# Altium PCB RS2-708_V009.PcbDoc (part 2 of 4) (continued)
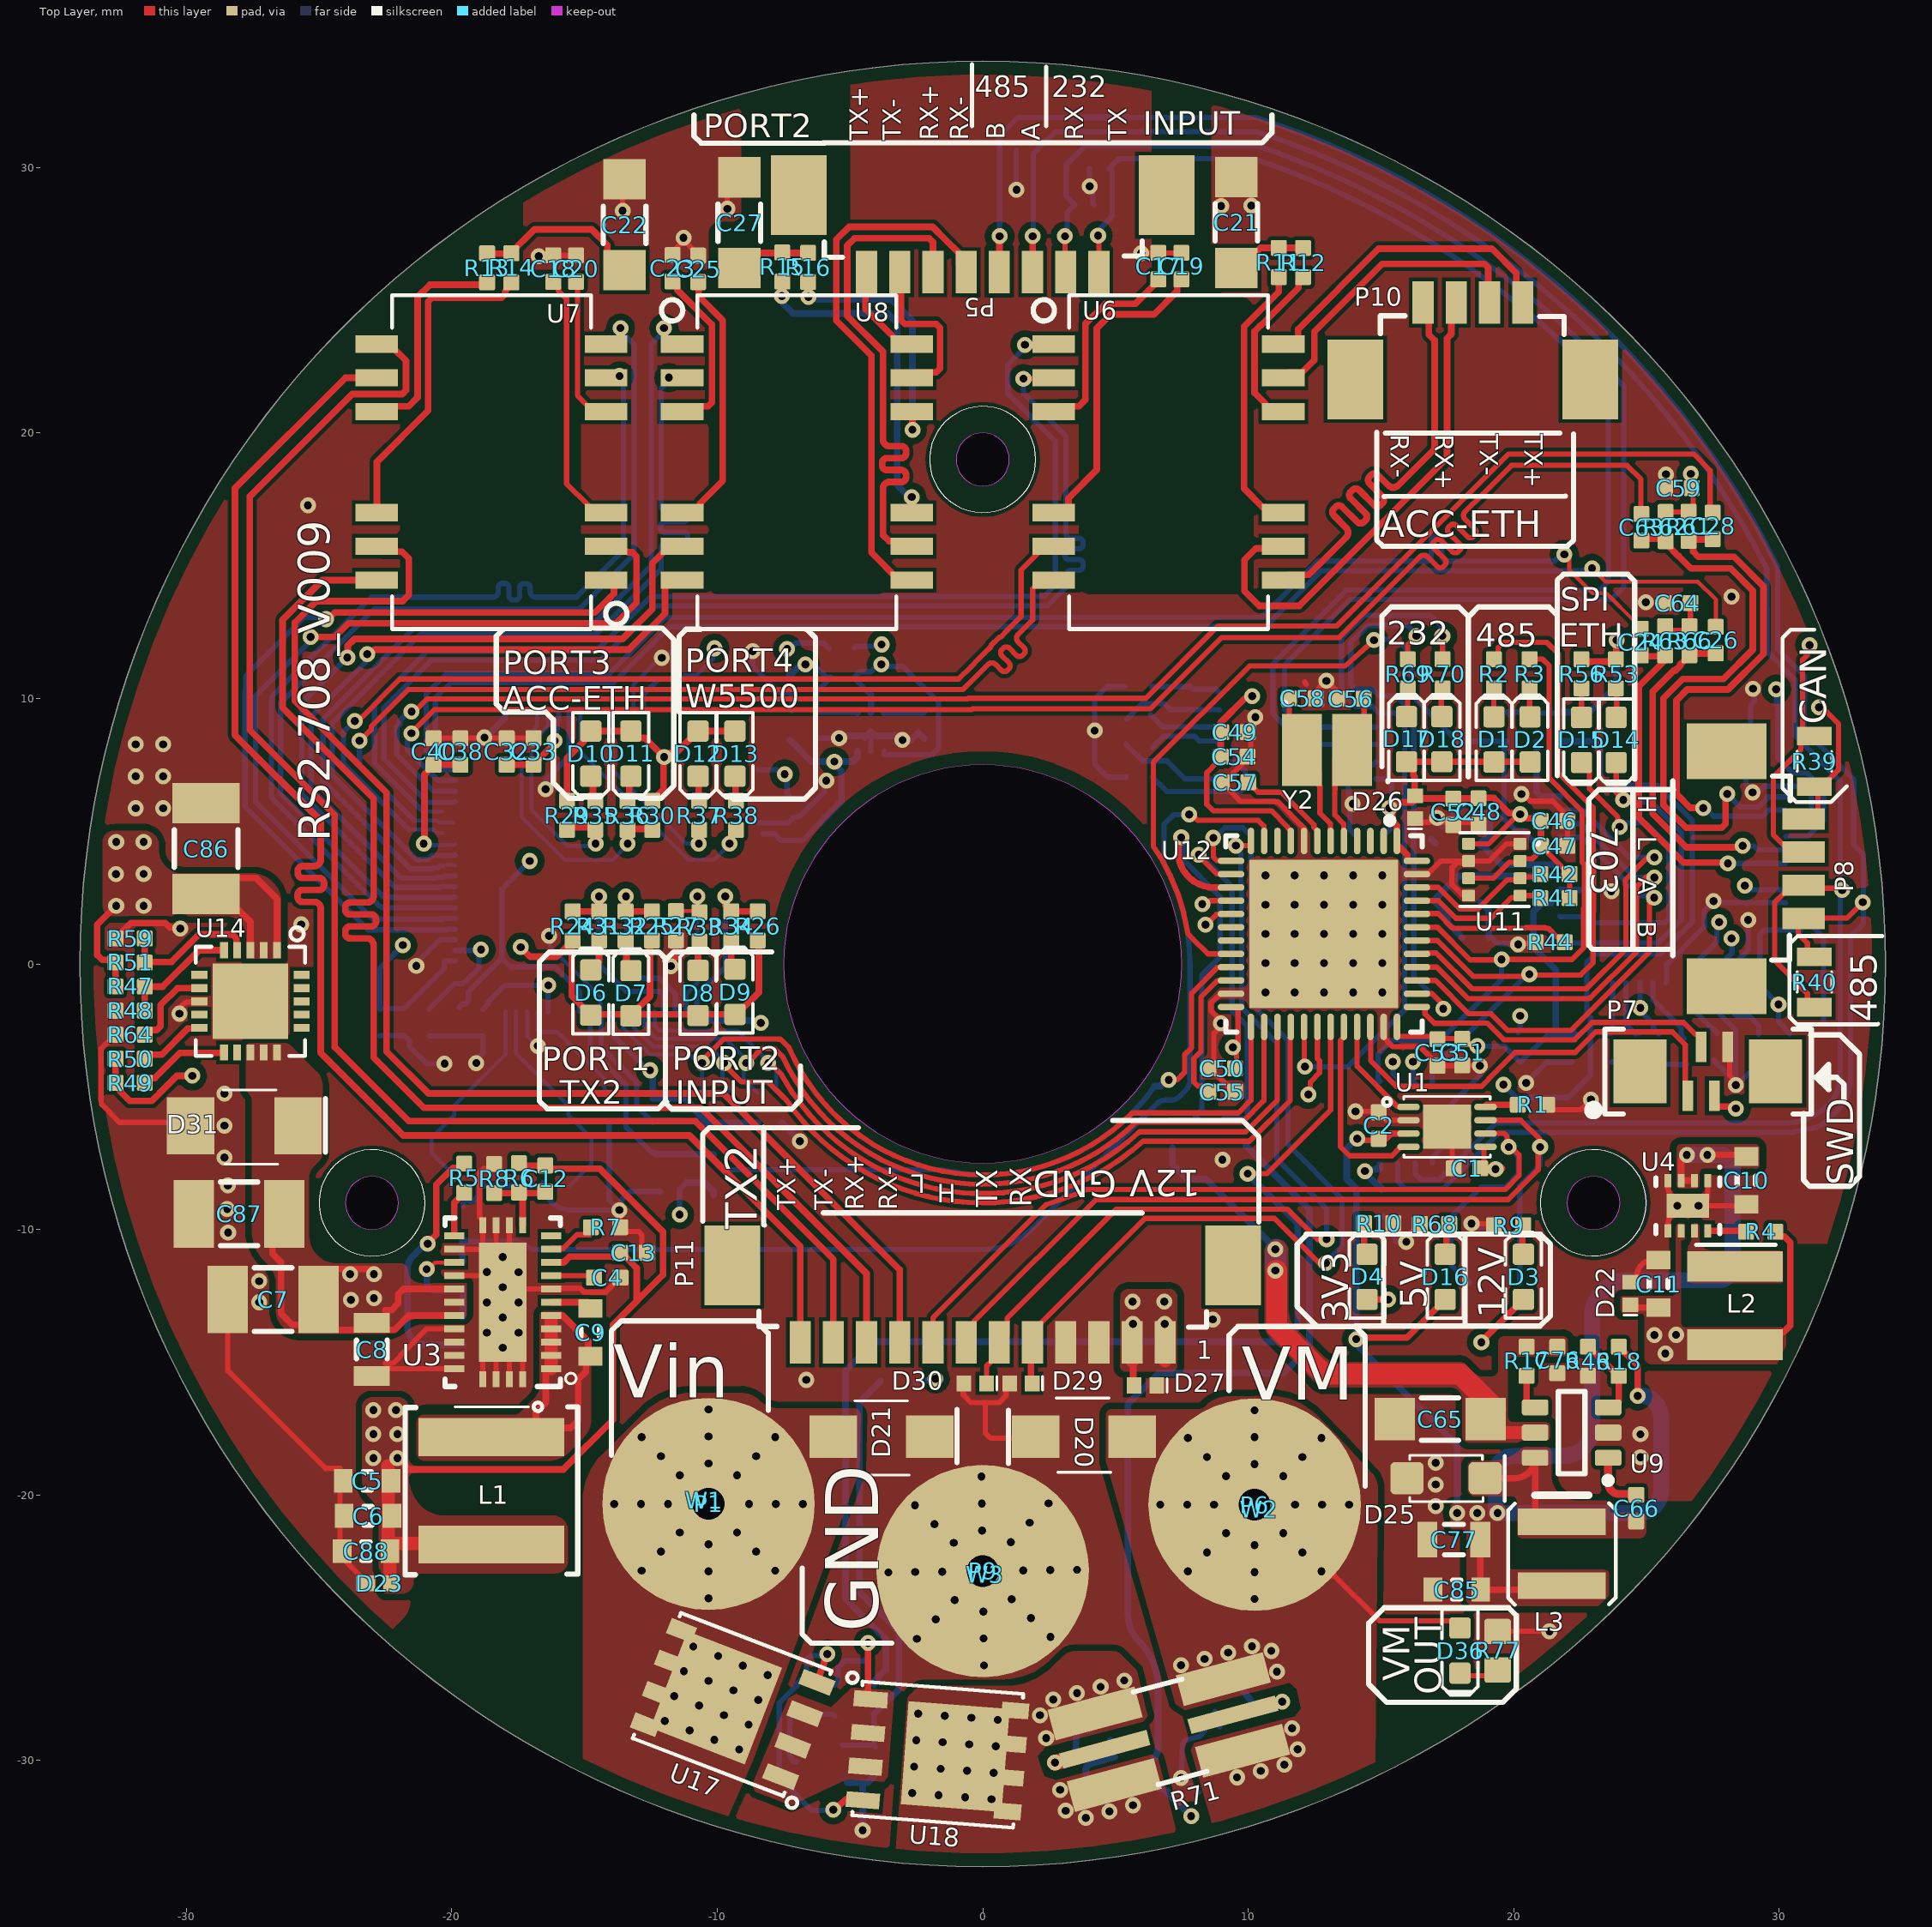
[diagram p0: Top Layer view]
## Part data (continued)
U1: "Can Fd Transceiver With Silent Mode / 8 Tdfn 2X3X0.8Mm T/r", Manufacturer 1=Microchip, Max Operating Temperature=150°C, Min Operating Temperature=-40°C, Supplier Part Number 1=MCP2558FDT-H/MNYCT-ND, Category="Interface ICs", ComponentLink1Description=http://www.microchip.com/mymicrochip/filehandler.aspx?ddocname=en585652&src-supplier=Digi-Key, ComponentLink1URL=http://www.microchip.com/mymicrochip/filehandler.aspx?ddocname=en585652&src-supplier=Digi-Key, Manufacturer Part Number 1=MCP2558FDT-H/MNY, Manufacturer_Part_Number=MCP2558FDT-H/MNY, Mount="Surface Mount", Packaging="Tape and Reel", Pricing 1="1=0,85000, 25=0,70000, 100=0,69000 (USD)", Receiver Hysteresis=200mV, RoHS=Yes, RoHS Compliant=Yes, Stock 1=6428, Supplier 1=Digi-Key, Vendor=Microchip
U2: library part MAX22501EATA+, Manufacturer="Maxim Integrated", Supplier Part Number=MAX22501EATA+-ND, Component Type="1/1 Transceiver Half RS422, RS485 8-TDFN (3x3)", Manufacturer Part Number=MAX22501EATA+, Price=2.91, Supplier=Digi-Key
U3: "Buck Switching Regulator IC Positive Adjustable 1V 1 Output 3.5A 30-WFQFN Exposed Pad", Manufacturer 1="Texas Instruments", Max Input Voltage=60V, Max Operating Temperature=125°C, Max Output Voltage=57V, Min Input Voltage=3.5V, Min Operating Temperature=-40°C, Min Output Voltage=1V, Output Current=3.5A, Supplier Part Number 1=296-49740-1-ND, Switching Frequency=2.2MHz, ComponentLink1Description=http://www.ti.com/lit/ds/symlink/lm76003.pdf?src-supplier=Digi-Key, ComponentLink1URL=http://www.ti.com/lit/ds/symlink/lm76003.pdf?src-supplier=Digi-Key, Manufacturer Part Number 1=LM76003RNPR, Mount="Surface Mount", Number of Outputs=1, Output Configuration=Positive, Output Type=Adjustable, Packaging="Tape and Reel", Pricing 1="1=6,06000, 10=5,44500, 25=5,14800, 100=4,23280, 250=3,79808, 500=3,66080, 1000=3,04304 (USD)", RoHS=No, Stock 1=8327, Supplier 1=Digi-Key, Synchronous Rectifier=Yes
U4: library part TPS6216X, Case/Package=SOIC, Manufacturer 1="Texas Instruments", Manufacturer Part Number 1=TPS62162DSGT, Max Input Voltage=17V, Max Operating Temperature=125°C, Max Output Current=1A, Max Output Voltage=3.3V, Min Input Voltage=3V, Min Operating Temperature=-40°C, Package Quantity=1, Quiescent Current=17uA, Supplier Part Number 1=296-29897-1-ND, Switching Frequency=2.25MHz, ComponentLink1Description=https://datasheet.ciiva.com/2026/tps62160-2026052.pdf?src-supplier=Digi-Key, ComponentLink1URL=https://datasheet.ciiva.com/2026/tps62160-2026052.pdf?src-supplier=Digi-Key, ComponentLink2Description=https://datasheet.ciiva.com/2026/tps62160-2026053.pdf?src-supplier=Digi-Key, ComponentLink2URL=https://datasheet.ciiva.com/2026/tps62160-2026053.pdf?src-supplier=Digi-Key, ComponentLink3Description=https://datasheet.ciiva.com/2026/tps62160-2026054.pdf?src-supplier=Digi-Key, ComponentLink3URL=https://datasheet.ciiva.com/2026/tps62160-2026054.pdf?src-supplier=Digi-Key, ComponentLink4Description=https://datasheet.ciiva.com/46425/1857528-46425721.pdf?src-supplier=Element14, ComponentLink4URL=https://datasheet.ciiva.com/46425/1857528-46425721.pdf?src-supplier=Element14, ComponentLink5Description=https://datasheet.ciiva.com/46425/1857528-46425722.pdf?src-supplier=Element14, ComponentLink5URL=https://datasheet.ciiva.com/46425/1857528-46425722.pdf?src-supplier=Element14, ComponentLink6Description=https://datasheet.ciiva.com/46425/1857528-46425743.pdf?src-supplier=Element14, ComponentLink6URL=https://datasheet.ciiva.com/46425/1857528-46425743.pdf?src-supplier=Element14, Contact Plating=Gold, Height=0.75mm, Lead Free="Lead Free", Length=2.1mm, Min Output Voltage=3.3V, Nominal Output Voltage=3.3V, Number of Outputs=1, Number of Pins=8, Operating Supply Voltage=17V, Output Configuration=Positive, Output Current=1A, Output Type=Fixed, Output Voltage=3.3V, Packaging="Tape and Reel", Pricing 1="1=1,63000, 10=1,46000, 25=1,38600, 100=1,06430 (USD)", Radiation Hardening=No, REACH SVHC="No SVHC", RoHS=Yes, Stock 1=23948, Supplier 1=Digi-Key, Synchronous Rectifier=Yes, Width=2.1mm
U5: "Linear Voltage Regulator", Manufacturer 1=Microchip, Manufacturer Part Number 1=MIC5309-1.2YMT-TR, Supplier Part Number 1=576-3050-1-ND, ComponentLink1Description=https://datasheet.ciiva.com/46425/1833743-46425628.pdf?src-supplier=Element14, ComponentLink1URL=https://datasheet.ciiva.com/46425/1833743-46425628.pdf?src-supplier=Element14, Pricing 1="1=0,81000, 25=0,67000, 100=0,61000 (USD)", RoHS=Yes, Stock 1=5043, Supplier 1=Digi-Key
U6 U7 U8: library part 749020100, "350µH LAN 10/100/1000 Base-T Pulse Transformer 1:1 Surface Mount", Inductance=350uH, Manufacturer 1="Wurth Electronics", Package Quantity=1, Supplier Part Number 1=732-3268-1-ND, ComponentLink1Description=https://datasheet.ciiva.com/1378/1736628-1378085.pdf?src-supplier=Element14, ComponentLink1URL=https://datasheet.ciiva.com/1378/1736628-1378085.pdf?src-supplier=Element14, ComponentLink2Description=https://datasheet.ciiva.com/2938/749020100-2938743.pdf?src-supplier=Digi-Key, ComponentLink2URL=https://datasheet.ciiva.com/2938/749020100-2938743.pdf?src-supplier=Digi-Key, ComponentLink3Description=https://datasheet.ciiva.com/2938/749020100-2938744.pdf?src-supplier=Digi-Key, ComponentLink3URL=https://datasheet.ciiva.com/2938/749020100-2938744.pdf?src-supplier=Digi-Key, ComponentLink4Description=https://datasheet.ciiva.com/2938/749020100-2938745.pdf?src-supplier=Digi-Key, ComponentLink4URL=https://datasheet.ciiva.com/2938/749020100-2938745.pdf?src-supplier=Digi-Key, Height - Seated (Max)=2.16mm, Length=12.83mm, Manufacturer Part Number 1=749020100, Mount="Surface Mount", Pricing 1="1=6,48000, 25=5,60800, 100=4,94900, 250=4,61900, 500=4,12402 (USD)", REACH SVHC=Unknown, RoHS=Yes, Stock 1=1037, Supplier 1=Digi-Key, Width=6.7mm
U9: library part LMR16006, "SIMPLE SWITCHER® 4V to 60V, 600mA Step-Down Regulator with Low Iq 6-SOT-23-THIN -40 to 125", Case/Package=SOT-23-6, Manufacturer 1="Texas Instruments", Manufacturer Part Number 1=LMR16006XDDCR, Max Input Voltage=60V, Max Operating Temperature=125°C, Max Output Current=600mA, Max Output Voltage=55V, Min Input Voltage=4V, Min Operating Temperature=-40°C, Min Output Voltage=765mV, Quiescent Current=28uA, Supplier Part Number 1=296-40293-1-ND, Switching Frequency=700kHz, Category="Power Supply Modules", ComponentLink1Description=http://www.ti.com/general/docs/lit/getliterature.tsp?genericPartNumber=LMR16006&&fileType=pdf&src-supplier=Avnet, ComponentLink1URL=http://www.ti.com/general/docs/lit/getliterature.tsp?genericPartNumber=LMR16006&&fileType=pdf&src-supplier=Avnet, ComponentLink2Description=http://www.ti.com/lit/ds/symlink/lmr16006.pdf?src-supplier=Digi-Key, ComponentLink2URL=http://www.ti.com/lit/ds/symlink/lmr16006.pdf?src-supplier=Digi-Key, ComponentLink3Description=http://www.ti.com/general/docs/lit/getliterature.tsp?genericPartNumber=LMR16006&amp;&amp;fileType=pdf&src-supplier=Farnell, ComponentLink3URL=http://www.ti.com/general/docs/lit/getliterature.tsp?genericPartNumber=LMR16006&amp;&amp;fileType=pdf&src-supplier=Farnell, ComponentLink4Description=http://www.ti.com/general/docs/lit/getliterature.tsp?genericPartNumber=LMR16006&&fileType=pdf&src-supplier=Element14, ComponentLink4URL=http://www.ti.com/general/docs/lit/getliterature.tsp?genericPartNumber=LMR16006&&fileType=pdf&src-supplier=Element14, ComponentLink5Description=http://www.ti.com/general/docs/lit/getliterature.tsp?genericPartNumber=LMR16006&amp;&amp;fileType=pdf&src-supplier=Avnet+Asia, ComponentLink5URL=http://www.ti.com/general/docs/lit/getliterature.tsp?genericPartNumber=LMR16006&amp;&amp;fileType=pdf&src-supplier=Avnet+Asia, Contact Plating=Gold, Lead Free="Lead Free", Mount="Surface Mount", Number of Outputs=1, Number of Pins=6, Operating Supply Voltage=60V, Output Configuration=Positive, Output Current=600mA, Output Type=Adjustable, Output Voltage=55V, Packaging="Tape and Reel", Pricing 1="1=3,26000, 10=2,93100, 25=2,77120, 100=2,40190, 250=2,27868, 500=2,04466, 1000=2,03350 (USD)", REACH SVHC="No SVHC", RoHS=Yes, RoHS Compliant=Yes, Supplier 1=Digi-Key, Synchronous Rectifier=No
U10: "5Port   Ethernet Controller 10/100 Base-T/TX PHY MII, RMII Interface 80-LQFP (10x10)", Manufacturer 1=Microchip, Manufacturer Part Number 1=KSZ8795CLXIC, Supplier Part Number 1=576-4853-ND, ComponentLink1Description=http://www.mouser.com/ds/2/268/KSZ8795CLX-776186.pdf?src-supplier=Mouser, ComponentLink1URL=http://www.mouser.com/ds/2/268/KSZ8795CLX-776186.pdf?src-supplier=Mouser, ComponentLink2Description=http://www.microchip.com/mymicrochip/filehandler.aspx?ddocname=en585610&src-supplier=Digi-Key, ComponentLink2URL=http://www.microchip.com/mymicrochip/filehandler.aspx?ddocname=en585610&src-supplier=Digi-Key, ComponentLink3Description=http://www.farnell.com/datasheets/2337812.pdf?src-supplier=Newark, ComponentLink3URL=http://www.farnell.com/datasheets/2337812.pdf?src-supplier=Newark, Pricing 1="1=5,36000, 25=4,46000, 100=4,31250 (USD)", RoHS=Yes, Stock 1=1232, Supplier 1=Digi-Key
U11: library part BME280, "Bosch Temp, Hum, Abs Pressure Environmental Sensor", Case/Package=LGA, Manufacturer 1=Bosch, Max Operating Temperature=85°C, Min Operating Temperature=-40°C, Supplier Part Number 1=828-1063-1-ND, Accuracy=3%, ComponentLink1Description=https://ae-bst.resource.bosch.com/media/_tech/media/datasheets/BST-BME280-DS002.pdf?src-supplier=Digi-Key, ComponentLink1URL=https://ae-bst.resource.bosch.com/media/_tech/media/datasheets/BST-BME280-DS002.pdf?src-supplier=Digi-Key, ComponentLink2Description=https://ae-bst.resource.bosch.com/media/_tech/media/product_flyer/BME280_Productflyer_BST_20170109.pdf?src-supplier=Arrow, ComponentLink2URL=https://ae-bst.resource.bosch.com/media/_tech/media/product_flyer/BME280_Productflyer_BST_20170109.pdf?src-supplier=Arrow, ComponentLink3Description=https://ae-bst.resource.bosch.com/media/_tech/media/product_flyer/BME280_Productflyer_BST_20170109.pdf?src-supplier=Mouser, ComponentLink3URL=https://ae-bst.resource.bosch.com/media/_tech/media/product_flyer/BME280_Productflyer_BST_20170109.pdf?src-supplier=Mouser, ComponentLink4Description=https://ae-bst.resource.bosch.com/media/_tech/media/product_flyer/BME280_Productflyer_BST_20170109.pdf?src-supplier=NAC+Semi, ComponentLink4URL=https://ae-bst.resource.bosch.com/media/_tech/media/product_flyer/BME280_Productflyer_BST_20170109.pdf?src-supplier=NAC+Semi, Lead Free="Lead Free", Manufacturer Part Number 1=BME280, Mount="Surface Mount", Number of Pins=8, Output Type=SPI,I2C, Packaging="Cut Tape", Pricing 1="1=6,55000, 5=5,77600, 10=5,10100, 25=4,13880, 50=3,65760, 100=3,56130, 500=2,98376, 1000=2,79126, 5000=2,59876 (USD)", Response Time=1s, RoHS=No, Sensor Type=Temperature, Stock 1=18369, Supplier 1=Digi-Key
U12: library part STM32F413CHU, "ARM Cortex-M4 32-bit MCU+FPU, 105 DMIPS, 128 kB Flash, 64 kB Internal RAM, 36 I/Os, 48-pin UFQFPN, -40 to 85 degC, Tray", Case/Package=UFQFPN, Frequency=100MHz, Manufacturer=STMicroelectronics, Max Operating Temperature=85°C, Min Operating Temperature=-40°C, Supplier Part Number 1=497-17018-ND, Component Type="'ARM® Cortex®-M4, 32Bit, 100mhz, 48-UFQFPN (7x7)", Core Architecture=ARM, Interface=I2C,USB,IrDA,MMC,SDIO,UART,USART, Manufacturer Part Number=STM32F413CHU6, Memory Size=1.5MB, Memory Type=FLASH, Number of I/Os=36, Oscillator Type=Internal, Packaging=Tray, Peripherals="Brown-out Detect/Reset,POR,PWM,WDT,DMA,LCD", Stock 1=2911, Supplier 1=Digi-Key
U13: "Ethernet to SPI MCU converter. Onboard TCP handling", Case/Package=LQFP, Manufacturer 1=WIZnet, Manufacturer Part Number 1=W5500, Max Operating Temperature=85°C, Max Supply Current=132mA, Max Supply Voltage=3.63V, Min Operating Temperature=-40°C, Min Supply Voltage=2.97V, Package Quantity=250, Supplier Part Number 1=1278-1021-ND, ComponentLink1Description=https://datasheet.ciiva.com/29644/w5500-ds-v100e-29644866.pdf?src-supplier=Digi-Key, ComponentLink1URL=https://datasheet.ciiva.com/29644/w5500-ds-v100e-29644866.pdf?src-supplier=Digi-Key, ComponentLink2Description=https://datasheet.ciiva.com/24199/w5500-24199988.pdf?src-supplier=Future+Electronics, ComponentLink2URL=https://datasheet.ciiva.com/24199/w5500-24199988.pdf?src-supplier=Future+Electronics, Interface=SPI, Lead Free="Lead Free", Number of Pins=48, Number of Transceivers=1, Operating Supply Current=132mA, Packaging=Tray, Pricing 1="1=3,95000, 10=3,54600, 25=3,35240, 100=2,75650, 250=2,47340, 500=2,38400, 1000=1,98170, 2500=1,90720, 5000=1,84760 (USD)", RoHS=Yes, Stock 1=8927, Supplier 1=Digi-Key
U14: "4.5V to 60V, 3A Current-Limiter with  OV, UV and Reverse Protection", Mfr_Name="Maxim Integrated Products", Digi-Key_Part_Number_1=MAX17613AATP+-ND, Manufacturer_Part_Number=MAX17613AATP+
U16: library part ST3232ECTR, Manufacturer=STMicroelectronics, Supplier Part Number=497-6538-1-ND, Component Type="2/2 Transceiver Full RS232 16-TSSOP", Manufacturer Part Number=ST3232ECTR, Price=1.41, Supplier=Digi-Key
U17 U18: library part "MOSFET - P - Single", "Trans MOSFET P-CH 80V 10.2A 8-Pin PowerPAK SO T/R", Continuous Drain Current (ID)=28A, Current=27A, Drain to Source Resistance=25mR, Drain to Source Voltage (Vdss)=-80V, Gate to Source Voltage (Vgs)=20V, Input Capacitance=4.7nF, Manufacturer 1="Vishay Siliconix", Manufacturer Part Number 1=SI7469DP-T1-E3, Max Operating Temperature=150°C, Max Power Dissipation=83W, Min Operating Temperature=-55°C, On-State Resistance=25MR, Package Quantity=3000, Power Dissipation=5.2W, Supplier Part Number 1=SI7469DP-T1-E3CT-ND, Threshold Voltage=-3V, Voltage=80V, Category=MOSFETs, ComponentLink1Description=https://datasheet.ciiva.com/16217/si7469dp-16217521.pdf?src-supplier=Future+Electronics, ComponentLink1URL=https://datasheet.ciiva.com/16217/si7469dp-16217521.pdf?src-supplier=Future+Electronics, ComponentLink2Description=https://datasheet.ciiva.com/933/si7469dp-933865.pdf?src-supplier=Digi-Key, ComponentLink2URL=https://datasheet.ciiva.com/933/si7469dp-933865.pdf?src-supplier=Digi-Key, ComponentLink3Description=https://datasheet.ciiva.com/7710/si7469dp-7710284.pdf?src-supplier=Element14, ComponentLink3URL=https://datasheet.ciiva.com/7710/si7469dp-7710284.pdf?src-supplier=Element14, ComponentLink4Description=https://datasheet.ciiva.com/18432/70026415-18432556.pdf?src-supplier=Allied+Electronics, ComponentLink4URL=https://datasheet.ciiva.com/18432/70026415-18432556.pdf?src-supplier=Allied+Electronics, ComponentLink5Description=https://datasheet.ciiva.com/11159/si7469dp-11159781.pdf?src-supplier=Avnet, ComponentLink5URL=https://datasheet.ciiva.com/11159/si7469dp-11159781.pdf?src-supplier=Avnet, ComponentLink6Description=https://datasheet.ciiva.com/933/si7469dp-933864.pdf?src-supplier=Digi-Key, ComponentLink6URL=https://datasheet.ciiva.com/933/si7469dp-933864.pdf?src-supplier=Digi-Key, ComponentLink7Description=https://datasheet.ciiva.com/11161/si7469dp-11161528.pdf?src-supplier=Avnet, ComponentLink7URL=https://datasheet.ciiva.com/11161/si7469dp-11161528.pdf?src-supplier=Avnet, ComponentLink8Description=https://datasheet.ciiva.com/933/si7469dp-933866.pdf?src-supplier=Digi-Key, ComponentLink8URL=https://datasheet.ciiva.com/933/si7469dp-933866.pdf?src-supplier=Digi-Key, Element Configuration=Single, Fall Time=110ns, Height=1.04mm, Lead Free="Lead Free", Length=4.9mm, Mount="Surface Mount", Number of Channels=1, Number of Elements=1, Number of Pins=8, Packaging="Tape and Reel", Pricing 1="1=2,66000, 10=2,21000, 25=2,13800, 100=1,75920, 500=1,48858, 1000=1,26303 (USD)", Rds On Max=25mR, REACH SVHC="No SVHC", Rise Time=220ns, RoHS=Yes, Stock 1=17352, Supplier 1=Digi-Key, Turn-Off Delay Time=105ns, Turn-On Delay Time=45ns, Weight=0.01787oz, Width=5.89mm
U19: library part AD8418BRMZ, "Current Sense Amplifier", Manufacturer="Analog Devices Inc", Supplier Part Number=AD8418BRMZ-ND, Component Type="Current Sense Amplifier 1 Circuit 8-MSOP", Manufacturer Part Number=AD8418BRMZ, Price=3.50, Supplier=Digi-Key
W1 W2 W3: library part Wiring_CrimpConnector, "Wiring Crimp Connector"
Y1: library part "Crystal Oscillator", "Crystal Oscillator", Case/Package=CSMD, ESR (Equivalent Series Resistance)=50R, Frequency=25MHz, Frequency Stability=30ppm, Frequency Tolerance=20ppm, Load Capacitance=18pF, Manufacturer 1=Abracon, Manufacturer Part Number 1=ABM7-25.000MHZ-D2Y-T, Max Operating Temperature=85°C, Min Operating Temperature=-40°C, Package Quantity=1000, Supplier Part Number 1=535-9847-1-ND, ComponentLink1Description=https://datasheet.ciiva.com/15116/getdatasheetpartid-719821-15116724.pdf?src-supplier=Verical, ComponentLink1URL=https://datasheet.ciiva.com/15116/getdatasheetpartid-719821-15116724.pdf?src-supplier=Verical, ComponentLink2Description=https://datasheet.ciiva.com/29998/abm7-29998167.pdf?src-supplier=Avnet, ComponentLink2URL=https://datasheet.ciiva.com/29998/abm7-29998167.pdf?src-supplier=Avnet, ComponentLink3Description=https://datasheet.ciiva.com/16416/abm7-16416969.pdf?src-supplier=Future+Electronics, ComponentLink3URL=https://datasheet.ciiva.com/16416/abm7-16416969.pdf?src-supplier=Future+Electronics, ComponentLink4Description=https://datasheet.ciiva.com/1357/947971-1357275.pdf?src-supplier=Element14, ComponentLink4URL=https://datasheet.ciiva.com/1357/947971-1357275.pdf?src-supplier=Element14, ComponentLink5Description=https://datasheet.ciiva.com/18649/abm7-18649868.pdf?src-supplier=Digi-Key, ComponentLink5URL=https://datasheet.ciiva.com/18649/abm7-18649868.pdf?src-supplier=Digi-Key, ComponentLink6Description=https://datasheet.ciiva.com/18649/abm7-18649869.pdf?src-supplier=Digi-Key, ComponentLink6URL=https://datasheet.ciiva.com/18649/abm7-18649869.pdf?src-supplier=Digi-Key, ComponentLink7Description=https://datasheet.ciiva.com/18649/abm7-18649870.pdf?src-supplier=Digi-Key, ComponentLink7URL=https://datasheet.ciiva.com/18649/abm7-18649870.pdf?src-supplier=Digi-Key, Composition=Ceramic, Depth=3.5mm, Height=0.055inch, Lead Free="Lead Free", Length=6mm, Mount="Surface Mount", Number of Pins=2, Packaging="Tape and Reel", Pricing 1="1=1,00000, 10=0,88600, 50=0,82780, 100=0,73150, 500=0,69300 (USD)", Radiation Hardening=No, REACH SVHC=Yes, RoHS=Yes, Series Resistance=50R, Stock 1=64369, Supplier 1=Digi-Key, Termination=SMD/SMT, Tolerance=20ppm, Width=3.3mm
Y2: library part "Crystal Oscillator", "Crystal Oscillator", Manufacturer=NDK, Manufacturer Part Number=NX3225GD-8MHZ-STD-CRA-3, Supplier Part Number=644-1178-1-ND, Component Type="Crystal Oscillator", Price=0.94, Supplier=Digi-Key
Y3: Case/Package=SMD/SMT, ESR (Equivalent Series Resistance)=60R, Frequency=25MHz, Frequency Stability=30ppm, Load Capacitance=10pF, Manufacturer 1=Abracon, Manufacturer Part Number 1=ABM8G-25.000MHZ-B4Y-T, Max Operating Temperature=70°C, Min Operating Temperature=-20°C, Package Quantity=1000, Supplier Part Number=535-10297-1-ND, ComponentLink1Description=https://datasheet.ciiva.com/16416/abm8g-16416874.pdf?src-supplier=Future+Electronics, ComponentLink1URL=https://datasheet.ciiva.com/16416/abm8g-16416874.pdf?src-supplier=Future+Electronics, ComponentLink2Description=https://datasheet.ciiva.com/28508/1883677-28508586.pdf?src-supplier=Element14, ComponentLink2URL=https://datasheet.ciiva.com/28508/1883677-28508586.pdf?src-supplier=Element14, ComponentLink3Description=https://datasheet.ciiva.com/7998/abm8g-7998635.pdf?src-supplier=Element14, ComponentLink3URL=https://datasheet.ciiva.com/7998/abm8g-7998635.pdf?src-supplier=Element14, ComponentLink4Description=https://datasheet.ciiva.com/855/abm8g-855228.pdf?src-supplier=Digi-Key, ComponentLink4URL=https://datasheet.ciiva.com/855/abm8g-855228.pdf?src-supplier=Digi-Key, ComponentLink5Description=https://datasheet.ciiva.com/855/abm8g-855229.pdf?src-supplier=Digi-Key, ComponentLink5URL=https://datasheet.ciiva.com/855/abm8g-855229.pdf?src-supplier=Digi-Key, ComponentLink6Description=https://datasheet.ciiva.com/855/abm8g-855230.pdf?src-supplier=Digi-Key, ComponentLink6URL=https://datasheet.ciiva.com/855/abm8g-855230.pdf?src-supplier=Digi-Key, ComponentLink7Description=https://datasheet.ciiva.com/4945/abm8g-10572-4945134.pdf?src-supplier=Mouser, ComponentLink7URL=https://datasheet.ciiva.com/4945/abm8g-10572-4945134.pdf?src-supplier=Mouser, Depth=2.5mm, Frequency Tolerance=30ppm, Height=0.039inch, Lead Free="Lead Free", Length=3.2mm, Mount="Surface Mount", Number of Pins=4, Packaging="Tape and Reel", Pricing 1="1=0,94000, 10=0,83500, 50=0,78040, 100=0,68970, 500=0,65340 (USD)", REACH SVHC=Unknown, RoHS=Yes, Series Resistance=60R, Stock 1=30143, Supplier 1=Digi-Key, Termination=SMD/SMT, Tolerance=30ppm, Width=0.098inch

## Via types
v1: diameter 0.6, hole 0.3, Top Layer to Bottom Layer, tented both sides, 251 vias
v2: diameter 0.6, hole 0.3, Top Layer to Bottom Layer, tented bottom, 109 vias
v3: diameter 0.6, hole 0.3, Top Layer to Bottom Layer, 32 vias
v4: diameter 2, hole 1.2, Top Layer to Bottom Layer, tented bottom, 3 vias

## Nets (pads, with @x,y where several pads share a name; then routed paths per layer and width w, separated by ;. In a path a pad name is that pad's centre, name@x,y a point inside that pad or via, vN(x,y) a via of type N, cw(c..) or ccw(c..) an arc to the next point about the centre after c; other vN are vias at no path point)
1V2: C75.1 U13.22 | length 2.3
  Bottom Layer w0.2: U13.22@24.243,-0.707 24.219,-0.731 24.219,-2.265 C75.1@24.553,-2.599 ; C75.1@24.579,-2.625 C75.1@24.553,-2.599 ; C75.1@24.757,-2.599 C75.1@24.553,-2.599
1V2_A: C14.1 C36.1 C37.1 D24.1 FB1.2 U5.4 U10.1 | length 34.9
  Layer 2 w0.4: v1(-21.844,0.708) -21.844,0.669 -21.832,0.681 -19.932,2.581 -16.265,2.581 -14.991,3.855 -7.92,3.855 -7.686,4.089 -7.686,4.456 -6.543,5.599 -6.543,11.085 -6.68,11.222 v1(-6.68,11.281)
  Bottom Layer w0.2: v1(-21.844,0.708) -21.844,0.591 -21.885,0.549 -21.985,0.549 -22.708,-0.174 C36.1@-22.708,-1.71 -22.682,-1.684 C37.1@-21.793,-1.684 -20.273,-0.164 -20.273,0.112 U10.1@-19.873,0.112 ; v1@-6.68,11.234 -6.605,11.234 -6.598,11.227 -6.325,11.227 -5.893,10.795 -5.791,10.795 -5.715,10.795 -5.791,10.719 FB1.2@-5.791,10.778 ; C14.1@-6.248,9.492 -6.248,10.262 FB1.2@-5.804,10.706
  Bottom Layer w0.25: D24.1@-7.283,10.899 -7.228,10.899 -6.913,11.214 -6.747,11.214 v1(-6.68,11.281) ; C14.1@-6.169,9.514 -4.729,9.514 -4.716,9.501 U5.4@-4.716,9.46
1V2_D: C32.1 C33.1 C34.1 C35.1 FB1.1 U10.26 U10.42 U10.73 | length 37
  Top Layer w0.25: C32.1@-17.927,7.498 -16.932,7.498 C33.1@-16.923,7.507 -16.19,8.24 -16.19,8.34 v1(-16.123,8.407)
  Layer 2 w0.4: v1(-17.062,3.876) -17.062,3.788 -17.212,3.938 -17.212,7.319 v1(-16.123,8.407) -14.828,7.112 -7.495,7.112 v1(-7.459,7.147) -7.498,7.186 -7.498,7.327 -7.547,7.376 -7.547,8.709 -7.538,8.718 -7.538,9.257 -7.547,9.266 -7.547,11.626 -7.366,11.808 v1(-7.366,11.862)
  Bottom Layer w0.2: C35.1@-19.736,-1.651 -19.595,-1.51 -19.489,-1.51 -19.371,-1.393 -19.371,-1.045 -18.113,0.214 -18.113,0.222 ; v1(-17.062,3.876) -18.113,2.825 -18.113,0.222 ; v1@-16.06,8.695 -16.06,8.805 -16.023,8.841 -16.023,9.162 -15.973,9.212 U10.26@-15.973,9.612 ; U10.73@-15.173,-1.788 -15.173,-1.33 -15.183,-1.32 -15.183,-1.033 -16.11,-0.106 -17.785,-0.106 -18.113,0.222 ; U10.42@-8.473,7.312 -7.743,7.312 -7.374,6.942 -7.374,6.426 C34.1@-7.29,6.342 ; v1(-7.366,11.862) -7.273,11.862 -7.049,12.086 -6.108,12.086 -6.101,12.078 -5.991,12.078 FB1.1@-5.791,11.878
3V3: C1.1 C3.1 C11.1 C15.1 C42.1 C43.1 C44.1 C45.1 C46.1 C47.1 C48.1 C49.1 C50.1 C51.1 C52.1 C53.1 C54.2 C73.1 C74.1 C78.1 C84.1 D1.2 D2.2 D4.2 D5.1 D6.2 D7.2 D8.2 D9.2 D10.2 D11.2 D12.2 D13.2 D17.2 D18.2 D22.1 D26.2 FB2.2 FB3.2 L2.2 P7.3 R4.1 R5.2 R19.2 R20.2 R21.2 R24.2 R25.2 R26.2 R28.1 R29.2 R30.2 R41.1 R42.1 R49.1 R50.1 R52.2 R53.2 R54.2 R55.2 R56.2 R65.2 R78.2 U1.5 U2.8 U4.6 U5.1 U5.3 U5.5 U10.34 U10.48 U10.70 U11.2 U11.6 U11.8 U12.1 U12.9 U12.24 U12.36 U12.48 U13.28 U16.16 U19.6 U19.7 | length 156.2
  Top Layer w0.2: C54.2@8.987,7.576 8.815,7.576 8.448,7.209 8.448,7.198 8.441,7.19 8.441,6.012 8.684,5.769 10.869,5.769 11.477,5.161 11.477,5.144 11.602,5.019 U12.9@11.602,4.63 ; U12.24@9.352,-1.62 9.595,-1.62 9.618,-1.643 9.618,-3.079 v1@9.557,-3.139 ; v1(9.423,-3.139) 9.498,-3.214 9.557,-3.214 C50.1@9.557,-3.94 ; U12.36@15.602,-2.37 15.625,-2.393 15.625,-2.73 17.247,-2.73 17.332,-2.815 18.137,-2.815 18.137,-2.962 18.191,-3.015 18.557,-3.015 v1(18.633,-3.092) ; U11.6@18.3,3.226 19.231,3.226 19.83,3.825 20.189,3.825 U11.2@20.24,3.876 20.322,3.959 20.703,3.959 20.85,4.106 20.85,4.324 C47.1@20.892,4.365 ; U11.8@18.3,4.526 19.061,4.526 20.171,5.636 v1(20.243,5.636) ; v1@18.635,-2.993 18.677,-3.034 v1@18.677,-3.051 ; C1.1@18.882,-7.862 U1.5@18.882,-6.876 ; C1.1@18.919,-7.712 19.37,-7.712 19.485,-7.597 19.586,-7.698 19.552,-7.732 v1(19.314,-7.732) ; C47.1@21.025,4.445 21.911,3.559 21.929,3.559 R42.1@22.104,3.384 22.122,3.367 R42.1@22.122,3.258 ; R41.1@22.104,2.479 R42.1@22.104,3.258
  Top Layer w0.25: R50.1@-32.662,-3.57 R49.1@-32.662,-4.475 -32.487,-4.65 -32.487,-4.802 -32.131,-5.158 -31.291,-5.158 -31.183,-5.05 -30.987,-4.854 -30.987,-4.846 -30.355,-4.214 v1(-29.767,-4.214) ; v1(-20.903,-10.533) -20.903,-10.523 -20.579,-10.198 -20.579,-8.312 -19.954,-7.687 -19.693,-7.687 R5.2@-19.526,-7.52 ; v1(-17.402,0.632) -17.041,0.271 -16.054,0.271 R24.2@-15.443,0.881 ; R29.2@-15.655,6.224 -15.655,7.753 -15.036,8.372 -15.036,8.494 -14.975,8.554 D10.2@-14.854,8.554 ; R24.2@-15.483,0.714 -15.483,-1.207 D6.2@-14.761,-1.929 ; D6.2@-14.771,-1.969 -14.704,-1.902 D7.2@-13.377,-1.902 ; D10.2@-14.761,8.769 D11.2@-13.252,8.769 -12.995,8.513 -12.736,8.513 v1@-12.091,7.868 ; D7.2@-13.377,-2.02 -13.32,-2.02 D7.2@-13.252,-1.951 D7.2@-13.202,-1.902 ; R25.2@-12.458,0.881 -12.533,0.805 -12.533,-1.217 -12.977,-1.661 -12.977,-1.676 D7.2@-13.202,-1.902 ; R30.2@-12.446,6.149 -12.02,6.574 v1@-12.02,7.796 ; v1@-12.02,7.824 v1@-12.02,7.796 ; v1(-11.999,7.796) v1@-12.02,7.796 ; v1@-11.935,7.873 -11.867,7.873 -11.792,7.949 -11.545,7.949 D12.2@-10.724,8.769 D13.2@-9.332,8.769 ; D9.2@-9.332,-1.902 D7.2@-13.202,-1.902 ; D9.2@-9.284,-1.925 -9.284,-1.854 -9.057,-1.627 -8.986,-1.627 -8.431,-1.072 -8.431,0.836 R26.2@-8.477,0.881 ; C54.2@8.964,7.617 8.964,9.093 9.889,10.017 10.084,10.017 v1(10.151,10.084) ; D4.2@14.476,-12.635 15.257,-12.635 v1(15.265,-12.643) ; v1(15.313,5.871) 15.428,5.871 15.428,5.891 15.475,5.938 15.495,5.938 15.644,6.087 16.173,6.087 16.271,6.186 D26.2@16.271,6.231 ; v1@15.451,5.773 15.451,5.751 15.424,5.724 15.424,5.386 15.602,5.207 U12.1@15.602,4.63 ; U12.1@15.631,4.462 15.992,4.102 15.992,3.88 U12.48@16.352,3.88 ; D17.2@15.963,7.614 D18.2@17.294,7.614 20.477,7.614 D2.2@20.515,7.575 ; D17.2@15.999,7.562 16.222,7.339 16.222,7.101 16.271,7.052 D26.2@16.271,6.231 ; C48.1@18.489,6.26 19.246,6.26 19.829,5.677 20.203,5.677 v1(20.243,5.636) 20.338,5.636 20.489,5.485 20.847,5.485 21.022,5.31 C47.1@21.022,4.441 ; C48.1@18.573,6.231 D26.2@16.271,6.231 ; R56.2@22.501,11.387 23.756,11.387 R53.2@23.848,11.478 ; R53.2@23.791,11.438 23.862,11.509 23.862,12.178 v1(23.876,12.192) ; D22.1@24.396,-12.838 ccw(c24.505,-12.838) 24.505,-12.948 C11.1@25.452,-12.948 ; P7.3@27.56,-5.326 27.6,-5.366 28.193,-5.366 28.271,-5.444 v1(28.366,-5.444) ; L2.2@28.357,-14.394 28.862,-13.889 30.112,-13.889 30.162,-13.84 30.191,-13.84 30.415,-13.615 30.415,-10.488 30.191,-10.263 30.029,-10.263 R4.1@29.854,-10.088 29.803,-10.038 R4.1@29.803,-10.031
  Bottom Layer w0.15: C45.1@-11.232,10.871 -10.778,10.871 -10.153,11.496 -10.153,11.835 v1(-10.101,11.887)
  Bottom Layer w0.2: U10.70@-13.973,-1.788 -13.973,-2.64 v1@-12.727,-3.886 ; U10.34@-12.773,9.612 -12.773,10.165 -12.541,10.397 -12.523,10.397 -12.194,10.727 C45.1@-11.227,10.727 ; v1@-11.426,-9.443 -11.426,-8.496 R28.1@-11.151,-8.221 ; U10.48@-8.27,4.899 -7.845,4.899 -7.595,4.648 -6.79,4.648 C44.1@-6.121,5.317 ; -4.204,10.122 -4.826,10.744 FB2.2@-4.826,10.804 -4.626,11.004 -4.208,11.004 -3.931,11.281 v1(-3.823,11.281) -3.746,11.204 -3.004,11.204 -1.66,9.86 -1.66,8.123 -1.9,7.883 -3.704,7.883 -3.716,7.895 U5.1@-3.716,8.015 ; U16.16@14.812,6.971 15.274,6.971 15.399,6.846 15.399,6.065 15.313,5.979 v1(15.313,5.871) 15.356,5.829 15.356,5.077 C78.1@15.08,4.801 ; U2.8@14.931,-7.546 U2.8@14.937,-7.54 ; v1(18.633,-3.092) 18.642,-3.101 19.642,-3.101 FB3.2@20.24,-3.698 20.722,-3.215 20.739,-3.215 C74.1@21.256,-2.699 ; R54.2@19.745,9.488 20.914,9.488 R55.2@20.92,9.482 20.954,9.448 21.835,9.448 R52.2@21.869,9.482 ; R54.2@19.851,9.363 R54.2@19.945,9.363
  Bottom Layer w0.25: v1(-20.903,-10.533) ccw(c-20.903,-10.741) -21.05,-10.594 -21.47,-11.014 ccw(c-21.007,-11.478) -21.662,-11.478 -21.662,-13.679 ccw(c-21.003,-13.679) -21.003,-14.337 R78.2@-19.569,-14.337 ; v1@-12.654,-3.937 -12.431,-3.937 -12.462,-3.968 -12.462,-4.167 -12.431,-4.198 -12.431,-5.055 C42.1@-11.218,-5.055 ; C42.1@-11.214,-5.052 R20.2@-10.414,-5.986 R21.2@-9.423,-5.986 R19.2@-8.458,-5.986 ; R28.1@-11.151,-8.221 -11.137,-8.234 -10.476,-8.234 -10.135,-8.575 D5.1@-10.135,-8.7 ; C15.1@-7.264,8.433 -6.452,7.62 v1(-5.588,7.62) -4.902,7.62 -4.716,7.806 U5.3@-4.716,8.015 ; C44.1@-6.121,5.317 -5.318,6.12 -5.318,7.255 -5.597,7.534 v1@-5.597,7.601 ; U5.5@-4.216,9.46 -4.204,9.473 -4.204,10.122 ; R65.2@-2.508,-15.752 -2.443,-15.687 -1.844,-15.687 v1(-1.778,-15.621) ; 4.032,-30.981 3.886,-30.436 cw(c4.128,-30.372) 4.061,-30.131 4.245,-30.08 U19.6@4.978,-29.862 U19.6@4.93,-29.874 ; 4.032,-30.982 ccw(c4.273,-30.917) 4.148,-31.133 4.214,-31.172 ccw(c4.352,-30.934) 4.425,-31.199 4.573,-31.158 5.815,-30.814 cw(c5.881,-31.055) 5.96,-30.818 6.869,-31.119 ; U19.7@4.804,-29.236 4.787,-29.335 4.912,-29.786 U19.6@4.926,-29.861 ; 6.942,-31.143 6.869,-31.119 ; v1(7.85,-32.093) C84.1@7.166,-31.451 6.912,-31.17 6.885,-31.139 cw(c7.071,-30.972) 6.869,-31.119 ; U2.8@14.963,-7.566 14.963,-7.714 14.956,-7.721 14.809,-7.721 14.79,-7.74 14.459,-7.74 v1(14.397,-7.801) 14.397,-7.87 14.841,-8.314 14.899,-8.314 15.026,-8.441 C3.1@15.026,-8.499 ; U13.28@21.404,2.286 21.061,2.286 20.743,1.969 20.743,0.617 21.581,-0.221 21.581,-2.675 ; C74.1@21.455,-2.675 21.581,-2.675 ; 21.581,-2.708 21.581,-2.675 ; R52.2@21.835,9.482 21.869,9.482 22.864,9.482 23.876,10.494 v1(23.876,12.192) ; C73.1@22.395,-2.675 21.581,-2.675
  other v1: 25.712,-14.671 25.301,-13.976 26.116,-13.969 -11.415,-9.443 -12.529,-4.005
3V3A: C59.1 C67.1 C68.1 C69.1 C70.1 C71.1 C72.1 FB3.1 R61.1 R62.2 U13.4 U13.8 U13.11 U13.15 U13.17 U13.21 | length 70.7
  Top Layer w0.2: R62.2@25.722,17.02 R61.1@26.538,17.02 ; R61.1@26.586,17.029 26.757,17.2 26.757,17.833 26.748,17.842 26.707,17.882 26.707,18.417 v1(26.667,18.458)
  Layer 2 w0.25: v1@20.26,-1.988 cw(c20.593,-1.988) 20.593,-1.654 v1(24.769,-1.654) 25.202,-1.654 ccw(c25.202,0.886) 27.742,0.886 v1@27.742,1.575 ; v1@27.742,1.583 v1@27.742,1.575 ; v1@28.156,0.886 28.156,1.156 ccw(c27.737,1.156) v1@27.742,1.575 ; v1(28.203,0.965) 28.203,0.217 ccw(c29.992,0.217) v1@29.992,-1.573 ; 29.87,8.027 29.87,10.348 v1(29.888,10.348)
  Layer 2 w0.6: v1(26.667,18.458) 26.667,8.036 27.018,7.684 29.528,7.684 29.87,8.027 29.879,8.036 29.879,2.946 ; v1(28.702,2.946) 29.879,2.946 ; v1@29.879,-1.457 29.879,2.946
  Bottom Layer w0.2: FB3.1@20.165,-2.574 20.242,-2.498 20.242,-1.959 v1(20.244,-1.956) ; U13.21@24.743,-0.707 24.756,-0.72 24.756,-1.641 v1(24.769,-1.654) ; v1@24.769,-1.657 24.769,-1.765 25.268,-2.264 25.268,-2.425 C70.1@25.468,-2.625 ; 27.648,1.068 27.648,0.838 26.843,0.033 26.843,-0.005 26.743,-0.105 U13.17@26.743,-0.707 26.743,-1.708 27.46,-2.425 27.503,-2.425 27.653,-2.574 C69.1@27.653,-2.618 ; 27.649,1.069 27.649,1.487 v1(27.737,1.575) ; U13.15@27.743,-1.309 27.793,-1.359 27.793,-1.398 28.078,-1.682 28.108,-1.682 28.407,-1.981 28.897,-1.981 29.227,-2.311 C71.1@29.227,-2.65 ; U13.15@27.743,-0.707 27.743,-0.105 27.843,-0.005 27.843,0.033 28.219,0.409 28.219,0.949 v1(28.203,0.965) ; v1(28.702,2.946) 28.856,2.793 U13.8@30.243,2.793 ; C67.1@29.947,9.722 29.947,7.747 30.506,7.188 31.052,7.188 31.668,6.572 31.668,5.398 31.082,4.812 30.263,4.812 U13.4@30.243,4.793 ; C72.1@30.396,-2.625 30.196,-2.425 30.196,-2.401 29.972,-2.177 v1(29.972,-1.524) 29.268,-0.82 29.268,1.1 29.447,1.278 U13.11@30.831,1.278
  Bottom Layer w0.25: v1(29.888,10.348) cw(c29.888,10.308) 29.927,10.308 C67.1@29.927,9.748
5V: C2.1 C10.1 C77.1 C85.1 D16.2 L3.2 R18.2 U1.3 U4.2 U4.3 | length 65
  Top Layer w0.2: v1(14.103,-6.584) 14.149,-6.584 14.12,-6.613 14.149,-6.642 14.868,-6.642 C2.1@14.882,-6.657
  Top Layer w0.25: v1(14.068,-14.133) 14.124,-14.077 15.978,-14.077 D16.2@17.42,-12.635 ; C2.1@15.011,-6.748 15.372,-6.388 U1.3@16.038,-6.388 ; C77.1@18.743,-21.682 18.743,-23.565 C85.1@18.759,-23.565 L3.2@21.659,-23.565 ; L3.2@21.929,-23.191 ccw(c21.929,-23.041) L3.2@22.079,-23.041 ; R18.2@23.958,-14.416 24.133,-14.591 24.667,-15.125 v1(24.667,-16.269) ; v1(26.52,-7.195) ccw(c26.52,-7.407) 26.308,-7.407 U4.3@26.308,-8.156 U4.2@26.808,-8.156 ; v1@27.294,-7.195 28.381,-7.195 cw(c28.381,-7.271) C10.1@28.457,-7.271
  Layer 2 w0.2: v1@14.208,-6.745 14.309,-6.745 v1@14.31,-6.746
  Bottom Layer w0.25: v1@14.077,-14.338 17.869,-18.129 v1(17.869,-20.681) ; v1@14.077,-14.133 14.077,-8.461 13.708,-8.092 13.708,-6.957 v1@14.092,-6.573
  Bottom Layer w0.6: v1@19.328,-20.662 19.328,-19.631 19.328,-19.158 cw(c19.95,-19.158) 19.95,-18.536 21.856,-18.536 ccw(c21.856,-17.442) 22.95,-17.442 22.95,-13.292 cw(c24.331,-13.292) 24.331,-11.911 27.072,-11.911 cw(c27.072,-11.997) 27.102,-11.916 27.158,-11.916 27.715,-11.916 ccw(c27.715,-11.386) 28.245,-11.386 28.245,-7.623 ccw(c27.817,-7.623) 27.817,-7.195 27.294,-7.195 v1(26.52,-7.195) ; v1(19.394,-20.681) 24.7,-20.681 ccw(c24.7,-19.826) 25.555,-19.826 25.555,-17.082 ccw(c24.71,-17.082) v1@24.71,-16.237
  other v1: 18.631,-20.681 27.294,-7.192
12V: C5.1 C6.1 C12.1 C13.2 C88.1 D3.2 D23.2 D27.2 L1.2 P11.1 P11.2 R6.2 U3.9 | length 56.8
  Top Layer w0.25: v1(-22.045,-18.61) -21.617,-19.037 -15.795,-19.037 -13.93,-17.172 -13.93,-13.599 -12.035,-11.704 -12.035,-10.095 -14.422,-7.707 -16.359,-7.707 C12.1@-16.478,-7.589 ; R6.2@-17.474,-7.511 -17.387,-7.598 C12.1@-16.53,-7.598 ; U3.9@-16.252,-11.242 -15.778,-11.242 -15.558,-11.021 -13.662,-11.021 C13.2@-13.639,-10.997 ; C13.2@-13.66,-10.874 -13.485,-11.049 -13.43,-11.049 -13.235,-11.245 -13.235,-11.253 -13.035,-11.452 -13.035,-12.688 ; P11.2@5.625,-14.25 cw(c5.625,-14.294) 5.645,-14.255 cw(c5.625,-14.294) 5.669,-14.294 D27.2@5.669,-15.919 ; v1@18.708,-14.292 D3.2@20.365,-12.635
  Top Layer w0.5: -22.407,-18.999 -22.407,-18.899 ; C88.1@-22.387,-21.822 -22.387,-18.999 ; C88.1@-22.381,-21.822 -18.547,-21.822 L1.2@-18.505,-21.864 ; C88.1@-22.333,-22.115 -22.333,-23.088 -22.323,-23.099 -22.323,-23.32 D23.2@-22.298,-23.345 ; P11.2@5.625,-14.95 5.645,-14.93 5.645,-14.255 5.645,-13.572 v1(5.664,-13.553) ; v1(6.858,-13.553) 6.866,-13.561 6.866,-14.941 P11.1@6.875,-14.95
  Layer 2 w0.25: v1(6.858,-13.553) 6.858,-14.643 7.439,-15.224 17.832,-15.224 18.782,-14.274 v1(18.782,-14.25)
  other v1: -22.95,-18.61 -22.95,-17.708 -22.045,-17.708 -22.95,-16.807 -22.099,-16.807 5.646,-12.715 6.84,-12.715
A3V3: C38.1 C39.1 C40.1 C41.1 FB2.1 U10.2 U10.12 U10.76 | length 51.4
  Top Layer w0.25: v1(-21.055,4.53) -21.055,4.564 -21.028,4.591 -21.028,7.137 -20.861,7.304 -20.861,7.324 -20.769,7.417 C40.1@-20.686,7.499 C38.1@-19.671,7.499
  Layer 2 w0.4: v1(-21.055,4.53) -21.095,4.53 -22.816,2.808 -23.05,2.574 -23.05,2.408 -23.05,-0.237 -22.115,-1.171 -20.612,-1.171 v1(-18.897,0.544) -17.565,-0.787 -16.38,-0.787 v1(-16.362,-0.806) ; v1@-18.942,0.589 -17.5,2.031 -16.016,2.031 -14.791,3.255 -7.563,3.255 -7.329,3.489 -6.537,4.612 cw(c0,0) -5.66,5.654 -4.574,6.74 -4.574,11.703 -4.288,11.989 -3.851,11.989 v1(-3.809,12.031)
  Bottom Layer w0.15: v1(-21.055,4.53) -20.96,4.53 -20.904,4.473 -20.386,4.473 -20.373,4.487 -19.898,4.487 U10.12@-19.873,4.512
  Bottom Layer w0.2: C41.1@-20.853,-1.71 -19.882,-0.738 -19.56,-0.738 -18.973,-0.151 -18.973,0.467 v1@-18.929,0.512 ; U10.2@-19.873,0.512 v1@-18.929,0.512 ; v1@-18.897,0.512 v1@-18.929,0.512 ; v1(-18.897,0.544) v1@-18.929,0.512 ; C39.1@-18.821,-1.71 -18.621,-1.51 -18.621,-1.426 -18.002,-0.806 v1(-16.362,-0.806) ; U10.76@-16.373,-1.788 -16.373,-0.928 -16.356,-0.911 v1@-16.356,-0.811 ; FB2.1@-4.826,11.904 -4.762,11.967 -3.872,11.967 v1(-3.809,12.031)
A_RD_N: U6.8 U10.14 | length 36.9
  Top Layer w0.2: v1(-23.47,8.407) -23.444,8.407 -23.033,8.819 -23.033,8.939 -21.641,10.331 -0.743,10.331 -0.15,10.924 0.203,11.278 cw(c0.345,11.136) 0.486,11.278 0.705,11.058 ccw(c0.818,11.172) 0.931,11.058 0.988,11.115 ccw(c0.875,11.228) 0.988,11.341 0.721,11.608 cw(c0.834,11.721) 0.721,11.834 0.778,11.891 cw(c0.891,11.778) 1.004,11.891 1.271,11.624 ccw(c1.384,11.737) 1.497,11.624 1.554,11.681 ccw(c1.441,11.794) 1.554,11.907 1.335,12.126 cw(c1.476,12.268) 1.335,12.409 1.88,12.954 1.88,13.24 1.88,14.138 1.972,14.23 2.455,14.23 U6.8@2.68,14.455
  Bottom Layer w0.15: -21.409,5.4 -20.542,5.4 -20.473,5.33 -19.942,5.33 U10.14@-19.932,5.32
  Bottom Layer w0.2: v1(-23.47,8.407) -23.47,7.46 -21.409,5.4
A_RD_P: U6.7 U10.13 | length 36.3
  Top Layer w0.2: v1@-23.668,9.015 -23.369,9.313 -23.366,9.313 -21.948,10.731 -0.909,10.731 -0.433,11.207 -0.174,11.466 0.061,11.701 0.307,11.947 0.307,11.985 0.627,12.305 0.665,12.305 0.911,12.551 1.146,12.786 1.448,13.088 1.448,14.834 U6.7@2.235,15.621
  Bottom Layer w0.15: -21.611,5.064 -21.6,5.064 -20.665,5.064 -20.537,4.937 U10.13@-20.348,4.937
  Bottom Layer w0.2: v1(-23.646,9.145) -23.673,9.145 -24.077,8.741 -24.077,7.53 -21.611,5.064
A_RX+: P10.2 U6.10 | length 19
  Top Layer w0.25: U6.10@11.32,15.725 11.246,15.651 10.291,15.651 9.855,15.215 9.855,14.046 10.414,13.487 11.922,13.487 17.487,19.052 17.487,23.558 17.651,23.721 17.651,24.728 P10.2@17.838,24.915
A_RX-: P10.1 U6.9 | length 18.6
  Top Layer w0.25: U6.9@11.32,14.455 11.52,14.655 12.277,14.655 13.604,15.982 13.692,16.071 ccw(c13.516,16.247) 13.692,16.424 13.225,16.892 cw(c13.352,17.019) 13.225,17.146 13.288,17.21 cw(c13.416,17.083) 13.543,17.21 14.104,16.649 ccw(c14.231,16.776) 14.359,16.649 14.422,16.713 ccw(c14.295,16.84) 14.422,16.967 13.861,17.528 cw(c13.989,17.655) 13.861,17.783 13.925,17.846 cw(c14.052,17.719) 14.179,17.846 14.74,17.285 ccw(c14.868,17.413) 14.995,17.285 15.059,17.349 ccw(c14.931,17.476) 15.059,17.604 14.566,18.096 cw(c14.693,18.223) 14.566,18.351 14.63,18.414 cw(c14.757,18.287) 14.884,18.414 15.283,18.015 ccw(c15.46,18.192) 15.637,18.015 16.991,19.369 17.018,19.396 17.018,23.489 16.804,23.702 16.804,24.24 16.633,24.412 P10.1@16.591,24.412
A_TD_N: U6.2 U10.16 | length 44.6
  Top Layer w0.2: v1(1.535,22.04) 2.596,22.04 ccw(c2.596,22.159) U6.2@2.68,22.075
  Bottom Layer w0.2: U10.16@-19.873,6.112 -19.894,6.091 -20.925,6.091 -22.555,7.722 -22.555,9.652 -20.777,11.43 -14.415,11.43 -12.357,13.487 2.44,13.487 2.882,13.929 3.09,14.138 3.09,14.236 3.137,14.283 3.137,14.629 cw(c3.337,14.629) 3.337,14.829 3.621,14.829 ccw(c3.621,14.989) 3.781,14.989 3.781,15.069 ccw(c3.621,15.069) 3.621,15.229 3.25,15.229 cw(c3.25,15.389) 3.09,15.389 3.09,15.469 cw(c3.25,15.469) 3.25,15.629 3.621,15.629 ccw(c3.621,15.789) 3.781,15.789 3.781,15.869 ccw(c3.621,15.869) 3.621,16.029 3.337,16.029 cw(c3.337,16.229) 3.137,16.229 3.137,17.47 3.137,19.878 1.535,21.48 v1(1.535,22.04)
A_TD_P: U6.1 U10.15 | length 43
  Bottom Layer w0.15: -21.07,5.741 U10.15@-20.361,5.741
  Bottom Layer w0.2: -21.07,5.741 -21.222,5.893 -21.235,5.893 -22.905,7.564 -22.905,9.797 -20.922,11.78 -14.56,11.78 -12.502,13.837 2.295,13.837 2.74,14.283 2.74,19.685 0.942,21.484 0.942,22.571 v1@1.602,23.231
  other v1: 1.59,23.317
A_TX+: P10.4 U6.16 | length 12
  Top Layer w0.25: U6.16@11.32,23.345 11.674,23.345 11.874,23.545 11.874,23.899 14.915,26.94 19.171,26.94 20.095,26.017 20.095,25.218 P10.4@20.345,24.968
A_TX-: P10.3 U6.15 | length 11.5
  Top Layer w0.25: U6.15@11.32,22.075 11.52,22.275 12.028,22.275 12.494,22.741 12.494,23.81 15.048,26.364 18.897,26.364 19.043,26.217 19.043,24.959 P10.3@19.088,24.915
ACTLED: D15.1 U13.27 | length 12.3
  Top Layer w0.2: D15.1@22.535,7.622 22.856,7.301 22.856,6.592 23.917,5.53 23.917,5.243 v1(23.994,5.166)
  Bottom Layer w0.2: U13.27@21.743,1.793 21.755,1.781 22.543,1.781 22.771,1.554 25.706,1.554 25.848,1.696 25.848,4.432 24.965,5.316 24.143,5.316 v1(23.994,5.166)
AD8418: R76.2 U19.5 | length 30.8
  Bottom Layer w0.25: U19.5@5.713,-30.241 5.833,-30.241 ccw(c5.833,-29.467) 6.607,-29.467 6.607,-27.248 ccw(c4.149,-27.248) 5.887,-25.51 cw(c6.898,-24.499) 5.468,-24.499 5.468,-16.57 6.63,-15.408 11.331,-15.408 12.306,-14.433 12.306,-9.25 R76.2@9.916,-6.86
AD8418_SENSE: C83.1 R76.1 U12.14 | length 12.9
  Top Layer w0.2: v1(8.137,4.113) 8.137,4.077 8.824,3.39 9.343,3.39 U12.14@9.352,3.38
  Bottom Layer w0.15: C83.1@9.054,-5.813 9.789,-5.813 ccw(c9.789,-5.633) R76.1@9.916,-5.76
  Bottom Layer w0.2: v1(8.137,4.113) 8.19,4.113 9.39,2.913 9.39,-1.463 9.402,-1.475 9.402,-1.778 9.973,-2.349 9.973,-5.599 R76.1@9.964,-5.608
B_RD_N: C63.2 U10.18 | length 59.6
  Top Layer w0.2: v1(-21.518,8.687) -21.518,8.708 -20.645,9.581 -0.4,9.581 -0.377,9.604 6.309,9.604 6.35,9.645 8.998,12.294 13.428,12.294 16.115,14.981 16.469,15.334 cw(c16.61,15.193) 16.751,15.334 17.122,14.963 ccw(c17.235,15.077) 17.349,14.963 17.405,15.02 ccw(c17.292,15.133) 17.405,15.246 16.987,15.664 cw(c17.1,15.778) 16.987,15.891 17.044,15.947 cw(c17.157,15.834) 17.27,15.947 17.688,15.529 ccw(c17.801,15.642) 17.914,15.529 17.971,15.586 ccw(c17.858,15.699) 17.971,15.812 17.553,16.23 cw(c17.666,16.343) 17.553,16.456 17.609,16.513 cw(c17.722,16.4) 17.836,16.513 18.254,16.095 ccw(c18.367,16.208) 18.48,16.095 18.537,16.151 ccw(c18.423,16.264) 18.537,16.378 18.166,16.749 cw(c18.307,16.89) 18.166,17.031 18.832,17.697 19.913,18.779 24.263,18.779 24.791,18.251 24.791,16.962 C63.2@24.808,16.945
  Bottom Layer w0.2: v1(-21.518,8.687) -21.518,8.579 -21.668,8.429 -21.668,8.058 -20.522,6.912 U10.18@-19.873,6.912
B_RD_P: C28.2 U10.17 | length 59.6
  Top Layer w0.2: v1(-21.514,9.5) -21.406,9.5 -20.924,9.981 -0.566,9.981 -0.543,10.004 6.143,10.004 8.865,12.725 13.327,12.725 15.849,15.247 19.804,19.202 26.782,19.202 27.399,18.586 C28.2@27.399,16.838
  Bottom Layer w0.2: v1(-21.514,9.5) -21.622,9.5 -21.952,9.17 -21.952,9.031 -22.068,8.915 -22.068,7.892 -20.687,6.512 U10.17@-19.873,6.512
B_RX+: C28.1 R61.2 U13.2 | length 19.2
  Top Layer w0.25: v1(27.137,5.874) 26.657,5.874 26.129,6.403 26.129,9.928 26.535,10.334 28.067,10.334 29.405,11.672 29.405,14.227 28.297,15.336 26.95,15.336 26.761,15.525 26.761,15.754 R61.2@26.586,15.929 26.645,15.988 27.323,15.988 C28.1@27.45,16.115
  Bottom Layer w0.2: v1(27.137,5.874) 27.219,5.874 27.533,5.561 29.366,5.561 29.597,5.793 U13.2@30.243,5.793
B_RX-: C63.1 R62.1 U13.1 | length 21.7
  Top Layer w0.25: C63.1@24.859,16.013 25.63,16.013 R62.1@25.722,15.92 ; R62.1@25.807,15.835 25.897,15.745 25.897,15.674 26.011,15.561 26.011,15.55 26.207,15.354 26.218,15.354 26.674,14.898 28.169,14.898 29.005,14.062 29.005,11.838 27.901,10.734 26.369,10.734 25.636,10.001 25.636,5.979 26.488,5.127 27.828,5.127 27.975,5.273 27.975,6.29 v1@27.94,6.325
  Bottom Layer w0.2: v1(28.042,6.401) 28.532,5.911 29.221,5.911 29.543,6.233 29.543,6.293 U13.1@30.243,6.293
B_TD_N: C26.2 U10.20 | length 54.6
  Top Layer w0.15: v1(22.951,14.896) 23.451,14.396 26.935,14.396 27.617,13.714 C26.2@27.617,12.734
  Bottom Layer w0.2: U10.20@-19.873,7.712 -20.332,7.712 -20.615,7.994 -20.615,8.969 -20.613,8.97 -20.613,10.016 -20.037,10.592 -13.907,10.592 -11.797,12.702 10.655,12.702 12.763,14.81 22.634,14.81 22.644,14.82 22.874,14.82 v1(22.951,14.896)
B_TD_P: C24.2 U10.19 | length 54.4
  Top Layer w0.15: v1(21.903,15.421) 21.944,15.421 22.094,15.272 22.094,14.831 22.966,13.958 23.491,13.958 24.562,12.888 24.562,12.821 C24.2@24.66,12.723
  Bottom Layer w0.2: U10.19@-19.873,7.312 -20.427,7.312 -20.965,7.849 -20.965,9.271 -20.963,9.273 -20.963,10.161 -20.181,10.942 -14.051,10.942 -11.942,13.052 10.51,13.052 12.628,15.169 16.591,15.169 16.691,15.169 ccw(c16.691,15.369) 16.891,15.369 16.891,15.951 cw(c17.051,15.951) 17.051,16.111 17.131,16.111 cw(c17.131,15.951) 17.291,15.951 17.291,15.369 ccw(c17.491,15.369) 17.491,15.169 18.868,15.169 21.543,15.169 21.795,15.421 v1(21.903,15.421)